# Altium PCB 宠物机器人&导购机器人.PcbDoc (part 14 of 14)
Units mil, origin at the board's own origin, x right, y up, seen from the top; angles counter-clockwise.
Board outline 6899.61 x 2204.72 mil, 2 copper layers (Top Layer, Bottom Layer); 229 components, 218 nets, 23463 pads, 263 vias.
Unrouted connection lines stored in the file: 107.
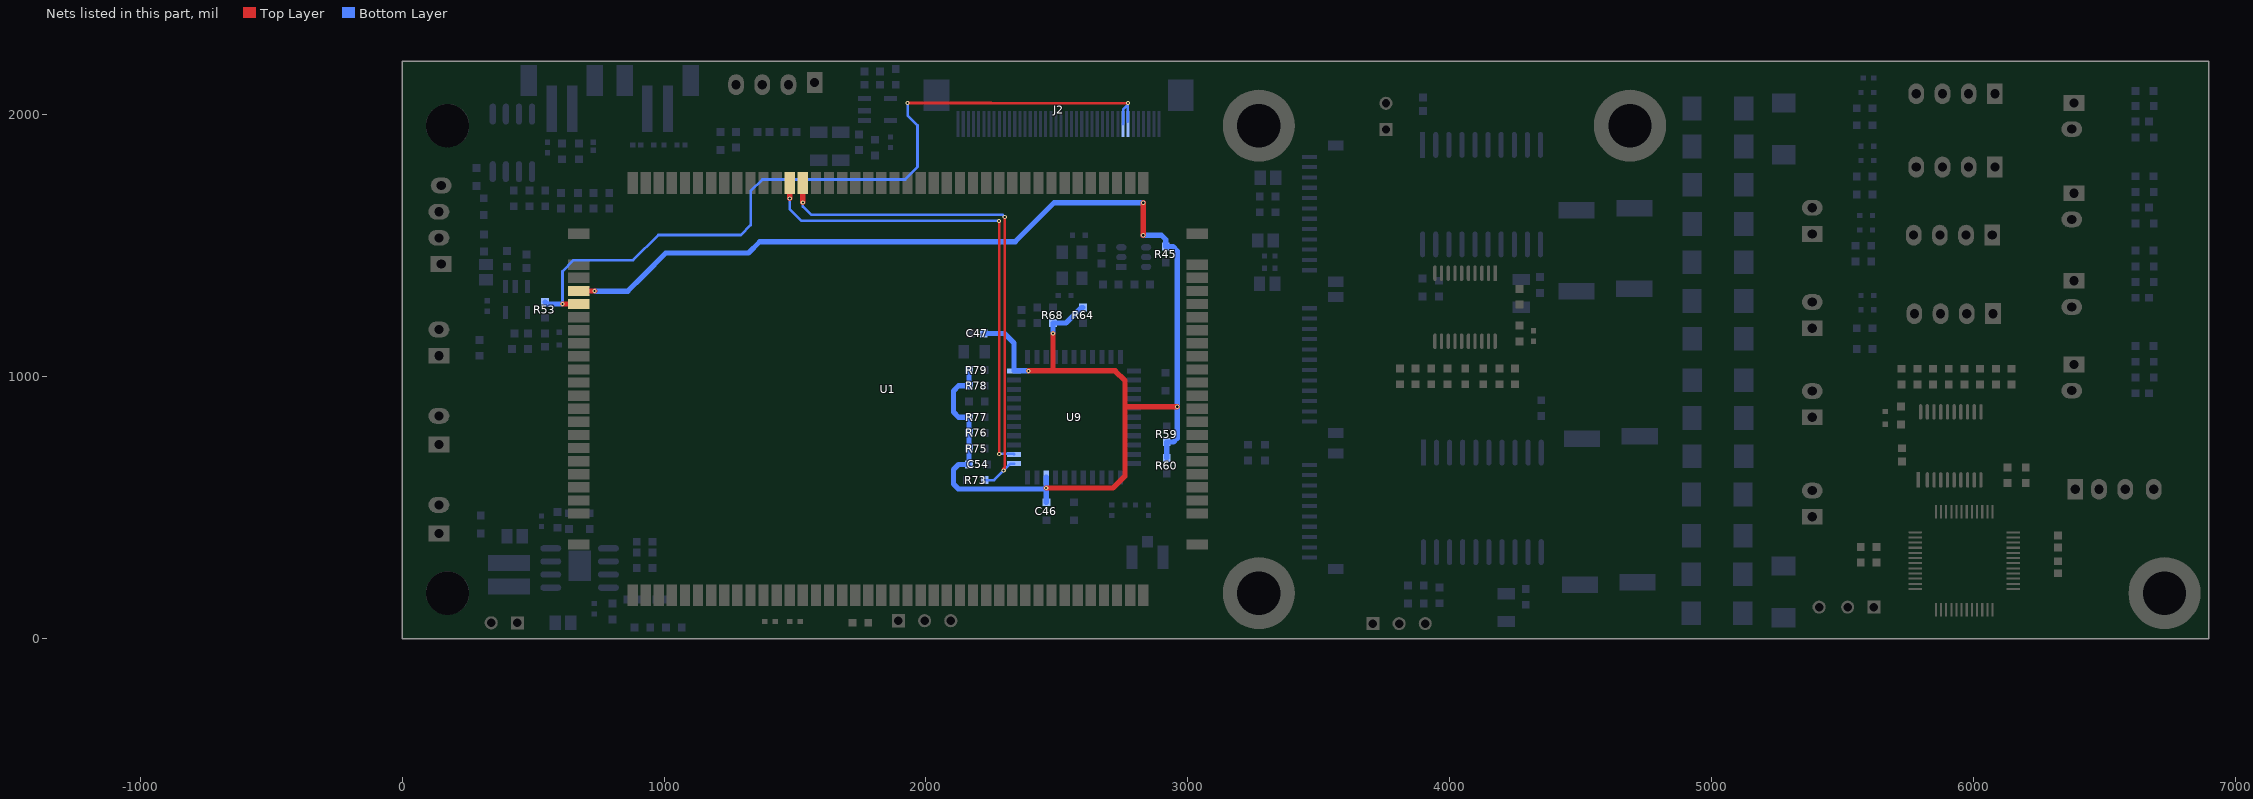
[diagram p14: the nets of this part, all layers, seen from the top]

## Via types
v1: diameter 16, hole 8, Top Layer to Bottom Layer, tented both sides, 263 vias

## Nets (pads, with @x,y where several pads share a name; then routed paths per layer and width w, separated by ;. In a path a pad name is that pad's centre, name@x,y a point inside that pad or via, vN(x,y) a via of type N, cw(c..) or ccw(c..) an arc to the next point about the centre after c; other vN are vias at no path point) (continued)
VCC-LCD: J2.7 J2.8 R53.2 U1.4 | length 3108.3
  Top Layer w10: v1(1930,2045) 1930.06,2045.06 2249.64,2045.06 2249.85,2044.85 v1(2771.59,2044.85)
  Top Layer w20: v1(612.4,1277.4) U1.4@673.9,1277.4
  Bottom Layer w10: 612.4,1345 612.4,1402.4 655,1445 882.07,1445 978.07,1541 1293.53,1541 1331,1578.47 1331,1708.53 1375.47,1753 1920.53,1753 1968,1800.47 1968,1959.53 1930,1997.53 v1(1930,2045) ; J2.8@2752.76,1965 2754.07,1966.32 2754.07,2021.63 v1@2771.59,2039.15 ; J2.7@2771.59,1974.15 v1@2771.59,2039.15 ; v1(2771.59,2044.85) v1@2771.59,2039.15
  Bottom Layer w12: v1(612.4,1277.4) 612.4,1345
  Bottom Layer w20: R53.2@545,1285 552.6,1277.4 v1(612.4,1277.4)
VCC-WIFI: C46.1 C47.2 C54.1 R45.1 R59.1 R60.1 R64.2 R68.1 R75.1 R76.1 R77.1 R78.1 R79.1 U1.3 U9.9 U9.22 | length 6338.5
  Top Layer w20: U1.3@673.9,1327.4 v1(735,1327.4) ; v1(2392.17,1022.17) 2480,1022.17 ; v1(2459.37,575) 2715,575 2760,620 2760,880 ; v1(2485,1165) 2485,1027.17 2480,1022.17 ; v1(2830,1540) v1(2830,1664) ; v1(2960,885) 2765,885 2760,880 ; 2480,1022.17 2722.83,1022.17 2760,985 2760,880
  Bottom Layer w20: v1(735,1327.4) 736.4,1326 861.05,1326 921,1385.95 921,1386.35 1006.65,1472 1322.11,1472 1365.22,1515.11 2213.71,1515.11 2213.82,1515 2340.8,1515 2489.8,1664 v1(2830,1664) ; R79.1@2165,1025 R78.1@2165,965 2125,965 2105,945 2105,865 2125,845 R77.1@2165,845 R76.1@2165,785 R75.1@2165,725 2165,665.5 C54.1@2164.5,665 2125,665 2105,645 2105,590 2123.91,571.09 2455.46,571.09 v1(2459.37,575) ; C47.2@2221,1165 2300,1165 2336.34,1128.66 U9.22@2336.34,1022.17 v1(2392.17,1022.17) ; U9.9@2459.37,615.67 v1(2459.37,575) ; C46.1@2460,520.5 2459.37,521.13 v1(2459.37,575) ; v1(2485,1165) R68.1@2485,1204.5 2534.55,1204.5 2594.55,1264.5 R64.2@2600,1264.5 ; v1(2830,1540) 2900,1540 2915.98,1524.02 R45.1@2915.98,1496.57 2943.43,1496.57 2960,1480 v1(2960,885) 2960,765 2945,750 R59.1@2920,750 R60.1@2920,690
WL-HOST-WAKE: U1.108 U9.13 | length 1865.3
  Top Layer w10: v1(2279.6,1595) 2279.6,705.4 v1(2280,705)
  Top Layer w20: v1(1480,1680) U1.108@1480,1739.8
  Bottom Layer w10: v1(1480,1680) 1480,1640 1525,1595 v1(2279.6,1595) ; v1(2280,705) 2334.61,705 U9.13@2336.34,703.27
WL-REG-ON: R73.1 U1.107 U9.12 | length 1987
  Top Layer w10: v1(2297,642) 2296,643 2298.2,645.2 2296,647.39 2301,652.39 v1(2301,1610)
  Top Layer w20: v1(1530,1665) U1.107@1530,1739.8
  Bottom Layer w10: v1(1530,1665) 1530,1650 1562.4,1617.6 2293.4,1617.6 v1(2301,1610) ; R73.1@2225,605 2260,605 v1(2297,642) 2322.83,667.83 U9.12@2336.34,667.83
pads on no net: J2.12 J2.13 J2.14 J2.17 J2.18 J2.21 U1.7 U1.17 U1.18 U1.22 U1.26 U1.27 U1.28 U1.77 U1.78 U1.104 U2.9 U9.4 U9.5 U9.8 U9.10 U9.11 U9.25 U9.26 U9.27 U9.28 U9.32 U9.35 U9.37 U9.38 U9.39 U9.40 U10.1 U10.2 U10.3 U10.5 U10.6 U10.8 U10.9 U10.10 U10.11 U10.12 U10.13 U10.14 U10.15 U10.16 U10.17 U10.19 U10.20 U10.21 U10.22 U10.23 U10.24 U10.25 U10.26 U10.27 U10.28 U10.29 U10.30 U10.37 U10.38

## Silkscreen, mask and mechanical layers (free items; w line width, h text height)
Top Overlay:
  region: 1525,3820 3655,3820 3655,2380 3647,2372 1436,2372 1424,2384 1424,3719 1426,3721
  region: 5573.87,-844 3432.13,-844 3337.65,-938.49 3337.65,-2296.76 3361.27,-2296.76 5573.87,-2292.82
Mechanical 1:
  the board outline again, w10
Mechanical 2:
  drawing of 19725 lines, arcs and shapes, not listed
Mechanical 3:
  drawing of 7932 lines, arcs and shapes, not listed
Mechanical 4:
  lines w0: -1218.26,-384.91 -1218.26,-384.82 ; -1218.26,-384.91 -1218.21,-384.91 ; -1218.26,-384.91 -1218.26,-384.82 ; -1218.26,-384.91 -1218.21,-384.91 ; -1218.26,-384.91 -1218.21,-384.91 ; -1218.26,-384.91 -1218.26,-384.82 ; -1218.26,-384.82 -1218.21,-384.82 ; -1218.26,-384.82 -1218.21,-384.82 ; -1218.26,-384.82 -1218.21,-384.82 ; -1218.21,-384.91 -1218.21,-384.82 ; -1218.21,-384.91 -1218.21,-384.82 ; -1218.21,-384.91 -1218.21,-384.82 ; -1218.14,-383.68 -1218.07,-383.68 ; -1218.14,-383.68 -1218.14,-383.55 ; -1218.14,-383.68 -1218.07,-383.68 ; -1218.14,-383.68 -1218.14,-383.55 ; -1218.14,-383.68 -1218.14,-383.55 ; -1218.14,-383.68 -1218.07,-383.68 ; -1218.14,-383.55 -1218.07,-383.55 ; -1218.14,-383.55 -1218.07,-383.55 ; -1218.14,-383.55 -1218.07,-383.55 ; -1218.16,-383.23 -1218.16,-383.1 ; -1218.16,-383.23 -1218.09,-383.23 ; -1218.16,-383.23 -1218.16,-383.1 ; -1218.16,-383.23 -1218.09,-383.23 ; -1218.16,-383.23 -1218.09,-383.23 ; -1218.16,-383.23 -1218.16,-383.1 ; -1218.16,-383.1 -1218.09,-383.1 ; -1218.16,-383.1 -1218.09,-383.1 ; -1218.16,-383.1 -1218.09,-383.1 ; -1218.09,-383.23 -1218.09,-383.1 ; -1218.09,-383.23 -1218.09,-383.1 ; -1218.09,-383.23 -1218.09,-383.1 ; -1218.07,-383.68 -1218.07,-383.55 ; -1218.07,-383.68 -1218.07,-383.55 ; -1218.07,-383.68 -1218.07,-383.55 ; -1218.05,-383.61 -1218.05,-383.54 ; -1218.05,-383.61 -1217.92,-383.61 ; -1218.05,-383.61 -1218.05,-383.54 ; -1218.05,-383.61 -1217.92,-383.61 ; -1218.05,-383.61 -1217.92,-383.61 ; -1218.05,-383.61 -1218.05,-383.54 ; -1218.05,-383.54 -1217.92,-383.54 ; -1218.05,-383.54 -1217.92,-383.54 ; -1218.05,-383.54 -1217.92,-383.54 ; -1217.93,-384.1 -1217.85,-384.1 ; -1217.93,-384.1 -1217.93,-384.04 ; -1217.93,-384.1 -1217.85,-384.1 ; -1217.93,-384.1 -1217.93,-384.04 ; -1217.93,-384.1 -1217.93,-384.04 ; -1217.93,-384.1 -1217.85,-384.1 ; -1217.93,-384.04 -1217.85,-384.04 ; -1217.93,-384.04 -1217.85,-384.04 ; -1217.93,-384.04 -1217.85,-384.04 ; -1217.92,-383.61 -1217.92,-383.54 ; -1217.92,-383.61 -1217.92,-383.54 ; -1217.92,-383.61 -1217.92,-383.54 ; -1217.85,-384.1 -1217.85,-384.04 ; -1217.85,-384.1 -1217.85,-384.04 ; -1217.85,-384.1 -1217.85,-384.04 ; -1217.86,-383.38 -1217.86,-383.24 ; -1217.86,-383.38 -1217.79,-383.38 ; -1217.86,-383.38 -1217.86,-383.24 ; -1217.86,-383.38 -1217.79,-383.38 ; -1217.86,-383.38 -1217.79,-383.38 ; -1217.86,-383.38 -1217.86,-383.24 ; -1217.86,-383.24 -1217.79,-383.24 ; -1217.86,-383.24 -1217.79,-383.24 ; -1217.86,-383.24 -1217.79,-383.24 ; -1217.79,-383.38 -1217.79,-383.24 ; -1217.79,-383.38 -1217.79,-383.24 ; -1217.79,-383.38 -1217.79,-383.24 ; -1216.25,-383.4 -1216.25,-383.31 ; -1216.25,-383.4 -1216.19,-383.4 ; -1216.25,-383.4 -1216.25,-383.31 ; -1216.25,-383.4 -1216.19,-383.4 ; -1216.25,-383.4 -1216.19,-383.4 ; -1216.25,-383.4 -1216.25,-383.31 ; -1216.25,-383.31 -1216.19,-383.31 ; -1216.25,-383.31 -1216.19,-383.31 ; -1216.25,-383.31 -1216.19,-383.31 ; -1216.19,-383.4 -1216.19,-383.31 ; -1216.19,-383.4 -1216.19,-383.31 ; -1216.19,-383.4 -1216.19,-383.31 ; -1216.18,-383.4 -1216.18,-383.31 ; -1216.18,-383.4 -1216.12,-383.4 ; -1216.18,-383.4 -1216.18,-383.31 ; -1216.18,-383.4 -1216.12,-383.4 ; -1216.18,-383.4 -1216.12,-383.4 ; -1216.18,-383.4 -1216.18,-383.31 ; -1216.18,-383.31 -1216.12,-383.31 ; -1216.18,-383.31 -1216.12,-383.31 ; -1216.18,-383.31 -1216.12,-383.31 ; -1216.12,-383.4 -1216.12,-383.31 ; -1216.12,-383.4 -1216.12,-383.31 ; -1216.12,-383.4 -1216.12,-383.31 ; -1215.61,-383.36 -1215.61,-383.29 ; -1215.61,-383.36 -1215.48,-383.36 ; -1215.61,-383.36 -1215.61,-383.29 ; -1215.61,-383.36 -1215.48,-383.36 ; -1215.61,-383.36 -1215.48,-383.36 ; -1215.61,-383.36 -1215.61,-383.29 ; -1215.61,-383.29 -1215.48,-383.29 ; -1215.61,-383.29 -1215.48,-383.29 ; -1215.61,-383.29 -1215.48,-383.29 ; -1215.56,-383.43 -1215.48,-383.43 ; -1215.56,-383.43 -1215.56,-383.37 ; -1215.56,-383.43 -1215.48,-383.43 ; -1215.56,-383.43 -1215.56,-383.37 ; -1215.56,-383.43 -1215.56,-383.37 ; -1215.56,-383.43 -1215.48,-383.43 ; -1215.56,-383.37 -1215.48,-383.37 ; -1215.56,-383.37 -1215.48,-383.37 ; -1215.56,-383.37 -1215.48,-383.37 ; -1215.48,-383.43 -1215.48,-383.37 ; -1215.48,-383.43 -1215.48,-383.37 ; -1215.48,-383.43 -1215.48,-383.37 ; -1215.48,-383.36 -1215.48,-383.29 ; -1215.48,-383.36 -1215.48,-383.29 ; -1215.48,-383.36 -1215.48,-383.29
Mechanical 5:
  drawing of 420 lines, arcs and shapes, not listed
Mechanical 6:
  lines w0.01: -1217.26,-384.28 -1217.26,-383.76 ; -1217.26,-384.28 -1216.69,-384.28 ; -1217.26,-384.28 -1217.26,-383.76 ; -1217.26,-384.28 -1216.69,-384.28 ; -1217.26,-384.28 -1216.69,-384.28 ; -1217.26,-384.28 -1217.26,-383.76 ; -1217.26,-383.76 -1216.69,-383.76 ; -1217.26,-383.76 -1216.69,-383.76 ; -1217.26,-383.76 -1216.69,-383.76 ; -1216.69,-384.28 -1216.69,-383.76 ; -1216.69,-384.28 -1216.69,-383.76 ; -1216.69,-384.28 -1216.69,-383.76
Mechanical 8:
  drawing of 9558 lines, arcs and shapes, not listed
  text "U5" at -1218.19,-383.19 h0.03 r90
  text "U5" at -1218.19,-383.19 h0.03 r90
  text "U5" at -1218.19,-383.19 h0.03 r90
  text "C37" at -1218.17,-383.17 h0.02
  text "C37" at -1218.17,-383.17 h0.02
  text "C37" at -1218.17,-383.17 h0.02
  text "R70" at -1218.15,-383.39 h0.02 r90
  text "R70" at -1218.15,-383.39 h0.02 r90
  text "R70" at -1218.15,-383.39 h0.02 r90
  text "R71" at -1218.11,-383.39 h0.02 r90
  text "R71" at -1218.11,-383.39 h0.02 r90
  text "R71" at -1218.11,-383.39 h0.02 r90
  text "C101" at -1218.08,-383.01 h0.02
  text "C101" at -1218.08,-383.01 h0.02
  text "C101" at -1218.08,-383.01 h0.02
  text "R67" at -1217.97,-383.01 h0.02
  text "R67" at -1217.97,-383.01 h0.02
  text "R67" at -1217.97,-383.01 h0.02
  text "R66" at -1217.87,-383.01 h0.02
  text "R66" at -1217.87,-383.01 h0.02
  text "R66" at -1217.87,-383.01 h0.02
  text "C100" at -1217.78,-383.13 h0.02 r90
  text "C100" at -1217.78,-383.13 h0.02 r90
  text "C100" at -1217.78,-383.13 h0.02 r90
  text "R120" at -1217.74,-383.22 h0.02 r90
  text "R120" at -1217.74,-383.22 h0.02 r90
  text "R120" at -1217.74,-383.22 h0.02 r90
  text "C32" at -1217.72,-383.38 h0.02
  text "C32" at -1217.72,-383.38 h0.02
  text "C32" at -1217.72,-383.38 h0.02
  text "C110" at -1217.65,-383.42 h0.02
  text "C110" at -1217.65,-383.42 h0.02
  text "C110" at -1217.65,-383.42 h0.02
  text "C40" at -1217.64,-383.14 h0.02 r90
  text "C40" at -1217.64,-383.14 h0.02 r90
  text "C40" at -1217.64,-383.14 h0.02 r90
  text "C36" at -1217.6,-383.14 h0.02 r90
  text "C36" at -1217.6,-383.14 h0.02 r90
  text "C36" at -1217.6,-383.14 h0.02 r90
  text "J6" at -1217.55,-383.09 h0.03
  text "J6" at -1217.55,-383.09 h0.03
  text "J6" at -1217.55,-383.09 h0.03
  text "R110" at -1217.55,-383.15 h0.02 r90
  text "R110" at -1217.55,-383.15 h0.02 r90
  text "R110" at -1217.55,-383.15 h0.02 r90
  text "C35" at -1217.49,-383.17 h0.02 r90
  text "C35" at -1217.49,-383.17 h0.02 r90
  text "C35" at -1217.49,-383.17 h0.02 r90
  text "C38" at -1217.42,-383.22 h0.02
  text "C38" at -1217.42,-383.22 h0.02
  text "C38" at -1217.42,-383.22 h0.02
  text "C39" at -1217.37,-383.17 h0.02 r90
  text "C39" at -1217.37,-383.17 h0.02 r90
  text "C39" at -1217.37,-383.17 h0.02 r90
  text "R111" at -1217.32,-383.17 h0.02 r90
  text "R111" at -1217.32,-383.17 h0.02 r90
  text "R111" at -1217.32,-383.17 h0.02 r90
  text "J7" at -1217.3,-383.09 h0.03
  text "J7" at -1217.3,-383.09 h0.03
  text "J7" at -1217.3,-383.09 h0.03
  text "J1" at -1216.65,-383.17 h0.03
  text "J1" at -1216.65,-383.17 h0.03
  text "J1" at -1216.65,-383.17 h0.03
  text "J2" at -1216.49,-383.21 h0.03
  text "J2" at -1216.49,-383.21 h0.03
  text "J2" at -1216.49,-383.21 h0.03
  text "R50" at -1216.38,-383.44 h0.02 r90
  text "R50" at -1216.38,-383.44 h0.02 r90
  text "R50" at -1216.38,-383.44 h0.02 r90
  text "R39" at -1216.32,-383.44 h0.02 r90
  text "R39" at -1216.32,-383.44 h0.02 r90
  text "R39" at -1216.32,-383.44 h0.02 r90
  text "C28" at -1216.21,-383.43 h0.02 r90
  text "C28" at -1216.21,-383.43 h0.02 r90
  text "C28" at -1216.21,-383.43 h0.02 r90
  text "C24" at -1216.14,-383.43 h0.02 r90
  text "C24" at -1216.14,-383.43 h0.02 r90
  text "C24" at -1216.14,-383.43 h0.02 r90
  text "C25" at -1216.09,-383.43 h0.02 r90
  text "C25" at -1216.09,-383.43 h0.02 r90
  text "C25" at -1216.09,-383.43 h0.02 r90
  text "J11" at -1215.97,-383.1 h0.03
  text "J11" at -1215.97,-383.1 h0.03
  text "J11" at -1215.97,-383.1 h0.03
  text "R104" at -1215.9,-383.46 h0.02 r90
  text "R104" at -1215.9,-383.46 h0.02 r90
  text "R104" at -1215.9,-383.46 h0.02 r90
  text "D11" at -1215.86,-383.22 h0.02
  text "D11" at -1215.86,-383.22 h0.02
  text "D11" at -1215.86,-383.22 h0.02
  text "R102" at -1215.85,-383.43 h0.02 r90
  text "R102" at -1215.85,-383.43 h0.02 r90
  text "R102" at -1215.85,-383.43 h0.02 r90
  text "R113" at -1215.85,-383.31 h0.02
  text "R113" at -1215.85,-383.31 h0.02
  text "R113" at -1215.85,-383.31 h0.02
  text "D12" at -1215.71,-383.22 h0.02
  text "D12" at -1215.71,-383.22 h0.02
  text "D12" at -1215.71,-383.22 h0.02
  text "R112" at -1215.71,-383.31 h0.02
  text "R112" at -1215.71,-383.31 h0.02
  text "R112" at -1215.71,-383.31 h0.02
  text "R101" at -1215.62,-383.18 h0.02 r90
  text "R101" at -1215.62,-383.18 h0.02 r90
  text "R101" at -1215.62,-383.18 h0.02 r90
  text "C105" at -1215.54,-383.22 h0.02
  text "C105" at -1215.54,-383.22 h0.02
  text "C105" at -1215.54,-383.22 h0.02
  text "C104" at -1215.41,-383.25 h0.02
  text "C104" at -1215.41,-383.25 h0.02
  text "C104" at -1215.41,-383.25 h0.02
  text "C102" at -1215.41,-383.28 h0.02
  text "C102" at -1215.41,-383.28 h0.02
  text "C102" at -1215.41,-383.28 h0.02
  text "C103" at -1215.4,-383.47 h0.02
  text "C103" at -1215.4,-383.47 h0.02
  text "C103" at -1215.4,-383.47 h0.02
  text "J10" at -1218.3,-383.66 h0.03 r90
  text "J10" at -1218.3,-383.66 h0.03 r90
  text "J10" at -1218.3,-383.66 h0.03 r90
  text "C44" at -1218.15,-383.48 h0.02 r90
  text "C44" at -1218.15,-383.48 h0.02 r90
  text "C44" at -1218.15,-383.48 h0.02 r90
  text "C17" at -1218.11,-384.12 h0.02 r90
  text "C17" at -1218.11,-384.12 h0.02 r90
  text "C17" at -1218.11,-384.12 h0.02 r90
  text "R29" at -1218.11,-384.34 h0.02 r90
  text "R29" at -1218.11,-384.34 h0.02 r90
  text "R29" at -1218.11,-384.34 h0.02 r90
  text "D7" at -1218.1,-383.82 h0.03 r90
  text "D7" at -1218.1,-383.82 h0.03 r90
  text "D7" at -1218.1,-383.82 h0.03 r90
  text "D6" at -1218.09,-384.03 h0.03 r90
  text "D6" at -1218.09,-384.03 h0.03 r90
  text "D6" at -1218.09,-384.03 h0.03 r90
  text "C42" at -1218.09,-383.48 h0.02 r90
  text "C42" at -1218.09,-383.48 h0.02 r90
  text "C42" at -1218.09,-383.48 h0.02 r90
  text "C13" at -1218.08,-384.34 h0.02 r90
  text "C13" at -1218.08,-384.34 h0.02 r90
  text "C13" at -1218.08,-384.34 h0.02 r90
  text "R40" at -1218.06,-384.12 h0.02 r90
  text "R40" at -1218.06,-384.12 h0.02 r90
  text "R40" at -1218.06,-384.12 h0.02 r90
  text "L3" at -1218.01,-383.48 h0.02
  text "L3" at -1218.01,-383.48 h0.02
  text "L3" at -1218.01,-383.48 h0.02
  text "R43" at -1218.01,-384.12 h0.02 r90
  text "R43" at -1218.01,-384.12 h0.02 r90
  text "R43" at -1218.01,-384.12 h0.02 r90
  text "C29" at -1217.98,-384.07 h0.02
  text "C29" at -1217.98,-384.07 h0.02
  text "C29" at -1217.98,-384.07 h0.02
  text "R47" at -1217.95,-384.12 h0.02 r90
  text "R47" at -1217.95,-384.12 h0.02 r90
  text "R47" at -1217.95,-384.12 h0.02 r90
  text "U2" at -1217.9,-384.32 h0.03 r270
  text "U2" at -1217.9,-384.32 h0.03 r270
  text "U2" at -1217.9,-384.32 h0.03 r270
  text "C14" at -1217.9,-384.12 h0.02 r90
  text "C14" at -1217.9,-384.12 h0.02 r90
  text "C14" at -1217.9,-384.12 h0.02 r90
  text "L4" at -1217.88,-383.48 h0.02
  text "L4" at -1217.88,-383.48 h0.02
  text "L4" at -1217.88,-383.48 h0.02
  text "RT1" at -1217.87,-383.81 h0.02 r90
  text "RT1" at -1217.87,-383.81 h0.02 r90
  text "RT1" at -1217.87,-383.81 h0.02 r90
  text "C18" at -1217.85,-384.12 h0.02 r90
  text "C18" at -1217.85,-384.12 h0.02 r90
  text "C18" at -1217.85,-384.12 h0.02 r90
  text "C43" at -1217.84,-383.59 h0.02
  text "C43" at -1217.84,-383.59 h0.02
  text "C43" at -1217.84,-383.59 h0.02
  text "R41" at -1217.81,-384.13 h0.02 r90
  text "R41" at -1217.81,-384.13 h0.02 r90
  text "R41" at -1217.81,-384.13 h0.02 r90
  text "C50" at -1217.8,-383.78 h0.02 r90
  text "C50" at -1217.8,-383.78 h0.02 r90
  text "C50" at -1217.8,-383.78 h0.02 r90
  text "R76" at -1217.76,-383.79 h0.02 r90
  text "R92" at -1217.76,-383.72 h0.02
  text "R76" at -1217.76,-383.79 h0.02 r90
  text "R92" at -1217.76,-383.72 h0.02
  text "R92" at -1217.76,-383.72 h0.02
  text "R76" at -1217.76,-383.79 h0.02 r90
  text "C23" at -1217.76,-383.77 h0.02
  text "C23" at -1217.76,-383.77 h0.02
  text "C23" at -1217.76,-383.77 h0.02
  text "D5" at -1217.71,-384.16 h0.02
  text "D5" at -1217.71,-384.16 h0.02
  text "D5" at -1217.71,-384.16 h0.02
  text "R83" at -1217.7,-383.78 h0.02 r90
  text "R83" at -1217.7,-383.78 h0.02 r90
  text "R83" at -1217.7,-383.78 h0.02 r90
  text "C33" at -1217.65,-383.48 h0.02
  text "C33" at -1217.65,-383.48 h0.02
  text "C33" at -1217.65,-383.48 h0.02
  text "R31" at -1217.63,-384.24 h0.02 r90
  text "R44" at -1217.63,-384.45 h0.02 r90
  text "R31" at -1217.63,-384.24 h0.02 r90
  text "R44" at -1217.63,-384.45 h0.02 r90
  text "R44" at -1217.63,-384.45 h0.02 r90
  text "R31" at -1217.63,-384.24 h0.02 r90
  text "R32" at -1217.62,-384.34 h0.02 r90
  text "R32" at -1217.62,-384.34 h0.02 r90
  text "R32" at -1217.62,-384.34 h0.02 r90
  text "R48" at -1217.6,-384.45 h0.02 r90
  text "R48" at -1217.6,-384.45 h0.02 r90
  text "R48" at -1217.6,-384.45 h0.02 r90
  text "R37" at -1217.6,-384.24 h0.02 r90
  text "R37" at -1217.6,-384.24 h0.02 r90
  text "R37" at -1217.6,-384.24 h0.02 r90
  text "R38" at -1217.59,-384.34 h0.02 r90
  text "R38" at -1217.59,-384.34 h0.02 r90
  text "R38" at -1217.59,-384.34 h0.02 r90
  text "D4" at -1217.59,-384.17 h0.02
  text "D4" at -1217.59,-384.17 h0.02
  text "D4" at -1217.59,-384.17 h0.02
  text "D21" at -1217.54,-383.6 h0.02
  text "D21" at -1217.54,-383.6 h0.02
  text "D21" at -1217.54,-383.6 h0.02
  text "R7" at -1217.51,-384.19 h0.02
  text "R13" at -1217.51,-384.16 h0.02
  text "R14" at -1217.51,-384.22 h0.02
  text "R7" at -1217.51,-384.19 h0.02
  text "R13" at -1217.51,-384.16 h0.02
  text "R14" at -1217.51,-384.22 h0.02
  text "R14" at -1217.51,-384.22 h0.02
  text "R13" at -1217.51,-384.16 h0.02
  text "R7" at -1217.51,-384.19 h0.02
  text "R8" at -1217.5,-384.24 h0.02
  text "R16" at -1217.5,-384.27 h0.02
  text "R8" at -1217.5,-384.24 h0.02
  text "R16" at -1217.5,-384.27 h0.02
  text "R16" at -1217.5,-384.27 h0.02
  text "R8" at -1217.5,-384.24 h0.02
  text "D22" at -1217.4,-383.62 h0.02
  text "D22" at -1217.4,-383.62 h0.02
  text "D22" at -1217.4,-383.62 h0.02
  text "D2" at -1217.36,-384.17 h0.02
  text "D2" at -1217.36,-384.17 h0.02
  text "D2" at -1217.36,-384.17 h0.02
  text "R19" at -1217.33,-384.27 h0.02
  text "R24" at -1217.33,-384.24 h0.02
  text "R19" at -1217.33,-384.27 h0.02
  text "R24" at -1217.33,-384.24 h0.02
  text "R24" at -1217.33,-384.24 h0.02
  text "R19" at -1217.33,-384.27 h0.02
  text "R20" at -1217.32,-384.33 h0.02
  text "R22" at -1217.32,-384.3 h0.02
  text "R20" at -1217.32,-384.33 h0.02
  text "R22" at -1217.32,-384.3 h0.02
  text "R22" at -1217.32,-384.3 h0.02
  text "R20" at -1217.32,-384.33 h0.02
  text "R23" at -1217.2,-384.33 h0.02
  text "R23" at -1217.2,-384.33 h0.02
  text "R23" at -1217.2,-384.33 h0.02
  text "R18" at -1217.1,-384.34 h0.02
  text "R21" at -1217.1,-384.37 h0.02
  text "R18" at -1217.1,-384.34 h0.02
  text "R21" at -1217.1,-384.37 h0.02
  text "R21" at -1217.1,-384.37 h0.02
  text "R18" at -1217.1,-384.34 h0.02
  text "R17" at -1217.1,-384.4 h0.02
  text "R17" at -1217.1,-384.4 h0.02
  text "R17" at -1217.1,-384.4 h0.02
  text "R3" at -1217.05,-384.45 h0.02
  text "R3" at -1217.05,-384.45 h0.02
  text "R3" at -1217.05,-384.45 h0.02
  text "R9" at -1217.05,-384.41 h0.02
  text "R9" at -1217.05,-384.41 h0.02
  text "R9" at -1217.05,-384.41 h0.02
  text "D1" at -1216.9,-383.63 h0.02 r90
  text "D1" at -1216.9,-383.63 h0.02 r90
  text "D1" at -1216.9,-383.63 h0.02 r90
  text "R10" at -1216.87,-384.46 h0.02
  text "R10" at -1216.87,-384.46 h0.02
  text "R10" at -1216.87,-384.46 h0.02
  text "R55" at -1216.61,-383.87 h0.02 r90
  text "R55" at -1216.61,-383.87 h0.02 r90
  text "R55" at -1216.61,-383.87 h0.02 r90
  text "R54" at -1216.61,-383.74 h0.02 r90
  text "R56" at -1216.61,-383.99 h0.02 r90
  text "R54" at -1216.61,-383.74 h0.02 r90
  text "R56" at -1216.61,-383.99 h0.02 r90
  text "R56" at -1216.61,-383.99 h0.02 r90
  text "R54" at -1216.61,-383.74 h0.02 r90
  text "R53" at -1216.61,-384.1 h0.02 r90
  text "R53" at -1216.61,-384.1 h0.02 r90
  text "R53" at -1216.61,-384.1 h0.02 r90
  text "L2" at -1216.51,-384.43 h0.02
  text "L2" at -1216.51,-384.43 h0.02
  text "L2" at -1216.51,-384.43 h0.02
  text "C31" at -1216.46,-383.65 h0.02 r90
  text "C31" at -1216.46,-383.65 h0.02 r90
  text "C31" at -1216.46,-383.65 h0.02 r90
  text "C55" at -1216.45,-384.32 h0.02 r90
  text "C55" at -1216.45,-384.32 h0.02 r90
  text "C55" at -1216.45,-384.32 h0.02 r90
  text "C30" at -1216.43,-383.65 h0.02 r90
  text "C30" at -1216.43,-383.65 h0.02 r90
  text "C30" at -1216.43,-383.65 h0.02 r90
  text "C56" at -1216.41,-384.32 h0.02 r90
  text "C56" at -1216.41,-384.32 h0.02 r90
  text "C56" at -1216.41,-384.32 h0.02 r90
  text "U3" at -1216.39,-384.23 h0.03 r90
  text "U3" at -1216.39,-384.23 h0.03 r90
  text "U3" at -1216.39,-384.23 h0.03 r90
  text "R79" at -1216.38,-384.32 h0.02 r90
  text "R79" at -1216.38,-384.32 h0.02 r90
  text "R79" at -1216.38,-384.32 h0.02 r90
  text "R52" at -1216.38,-383.65 h0.02 r90
  text "R52" at -1216.38,-383.65 h0.02 r90
  text "R52" at -1216.38,-383.65 h0.02 r90
  text "R80" at -1216.35,-384.32 h0.02 r90
  text "R80" at -1216.35,-384.32 h0.02 r90
  text "R80" at -1216.35,-384.32 h0.02 r90
  text "D3" at -1216.32,-383.65 h0.02 r90
  text "D3" at -1216.32,-383.65 h0.02 r90
  text "D3" at -1216.32,-383.65 h0.02 r90
  text "C22" at -1216.26,-383.65 h0.02 r90
  text "C22" at -1216.26,-383.65 h0.02 r90
  text "C22" at -1216.26,-383.65 h0.02 r90
  text "R58" at -1216.21,-383.65 h0.02 r90
  text "R58" at -1216.21,-383.65 h0.02 r90
  text "R58" at -1216.21,-383.65 h0.02 r90
  text "R59" at -1216.17,-383.65 h0.02 r90
  text "R59" at -1216.17,-383.65 h0.02 r90
  text "R59" at -1216.17,-383.65 h0.02 r90
  text "C27" at -1216.1,-383.67 h0.02 r90
  text "C27" at -1216.1,-383.67 h0.02 r90
  text "C27" at -1216.1,-383.67 h0.02 r90
  text "C21" at -1216.05,-383.67 h0.02 r90
  text "C21" at -1216.05,-383.67 h0.02 r90
  text "C21" at -1216.05,-383.67 h0.02 r90
  text "C26" at -1215.88,-383.82 h0.02 r90
  text "R60" at -1215.88,-383.97 h0.02 r90
  text "C26" at -1215.88,-383.82 h0.02 r90
  text "R60" at -1215.88,-383.97 h0.02 r90
  text "R60" at -1215.88,-383.97 h0.02 r90
  text "C26" at -1215.88,-383.82 h0.02 r90
  text "R57" at -1215.88,-383.9 h0.02 r90
  text "R57" at -1215.88,-383.9 h0.02 r90
  text "R57" at -1215.88,-383.9 h0.02 r90
  text "R103" at -1215.85,-383.53 h0.02 r90
  text "R103" at -1215.85,-383.53 h0.02 r90
  text "R103" at -1215.85,-383.53 h0.02 r90
  text "R61" at -1215.85,-383.83 h0.02 r90
  text "R61" at -1215.85,-383.83 h0.02 r90
  text "R61" at -1215.85,-383.83 h0.02 r90
  text "R75" at -1215.84,-384.32 h0.02 r90
  text "R75" at -1215.84,-384.32 h0.02 r90
  text "R75" at -1215.84,-384.32 h0.02 r90
  text "R63" at -1215.82,-384.32 h0.02 r90
  text "R63" at -1215.82,-384.32 h0.02 r90
  text "R63" at -1215.82,-384.32 h0.02 r90
  text "R51" at -1215.81,-383.8 h0.02
  text "R51" at -1215.81,-383.8 h0.02
  text "R51" at -1215.81,-383.8 h0.02
  text "C34" at -1215.81,-383.85 h0.02 r90
  text "C34" at -1215.81,-383.85 h0.02 r90
  text "C34" at -1215.81,-383.85 h0.02 r90
  text "R62" at -1215.79,-383.95 h0.02 r90
  text "R62" at -1215.79,-383.95 h0.02 r90
  text "R62" at -1215.79,-383.95 h0.02 r90
  text "R64" at -1215.79,-384.32 h0.02 r90
  text "R64" at -1215.79,-384.32 h0.02 r90
  text "R64" at -1215.79,-384.32 h0.02 r90
  text "Y1" at -1215.76,-383.85 h0.02
  text "Y1" at -1215.76,-383.85 h0.02
  text "Y1" at -1215.76,-383.85 h0.02
  text "U4" at -1215.76,-383.96 h0.02 r90
  text "U4" at -1215.76,-383.96 h0.02 r90
  text "U4" at -1215.76,-383.96 h0.02 r90
  text "R30" at -1215.74,-383.81 h0.02
  text "R30" at -1215.74,-383.81 h0.02
  text "R30" at -1215.74,-383.81 h0.02
  text "C45" at -1215.73,-383.85 h0.02 r90
  text "C45" at -1215.73,-383.85 h0.02 r90
  text "C45" at -1215.73,-383.85 h0.02 r90
  text "R65" at -1215.73,-383.96 h0.02 r90
  text "R65" at -1215.73,-383.96 h0.02 r90
  text "R65" at -1215.73,-383.96 h0.02 r90
  text "U10" at -1215.63,-383.64 h0.03 r270
  text "U10" at -1215.63,-383.64 h0.03 r270
  text "U10" at -1215.63,-383.64 h0.03 r270
  text "L1" at -1215.42,-383.57 h0.02 r90
  text "L1" at -1215.42,-383.57 h0.02 r90
  text "L1" at -1215.42,-383.57 h0.02 r90
  text "J8" at -1218.31,-384.72 h0.03 r90
  text "J8" at -1218.31,-384.72 h0.03 r90
  text "J8" at -1218.31,-384.72 h0.03 r90
  text "S1" at -1218.29,-384.57 h0.03 r90
  text "S1" at -1218.29,-384.57 h0.03 r90
  text "S1" at -1218.29,-384.57 h0.03 r90
  text "C41" at -1218.28,-384.8 h0.02 r90
  text "C41" at -1218.28,-384.8 h0.02 r90
  text "C41" at -1218.28,-384.8 h0.02 r90
  text "R35" at -1218.17,-384.59 h0.02 r90
  text "R35" at -1218.17,-384.59 h0.02 r90
  text "R35" at -1218.17,-384.59 h0.02 r90
  text "R49" at -1218.14,-384.59 h0.02 r90
  text "R49" at -1218.14,-384.59 h0.02 r90
  text "R49" at -1218.14,-384.59 h0.02 r90
  text "C20" at -1218.11,-384.47 h0.02 r90
  text "C20" at -1218.11,-384.47 h0.02 r90
  text "C20" at -1218.11,-384.47 h0.02 r90
  text "C11" at -1218.09,-384.85 h0.02 r90
  text "C11" at -1218.09,-384.85 h0.02 r90
  text "C11" at -1218.09,-384.85 h0.02 r90
  text "R46" at -1218.09,-384.57 h0.02
  text "R46" at -1218.09,-384.57 h0.02
  text "R46" at -1218.09,-384.57 h0.02
  text "C19" at -1218.08,-384.47 h0.02 r90
  text "C19" at -1218.08,-384.47 h0.02 r90
  text "C19" at -1218.08,-384.47 h0.02 r90
  text "R25" at -1218.04,-384.85 h0.02 r90
  text "R25" at -1218.04,-384.85 h0.02 r90
  text "R25" at -1218.04,-384.85 h0.02 r90
  text "R36" at -1217.99,-384.85 h0.02 r90
  text "R36" at -1217.99,-384.85 h0.02 r90
  text "R36" at -1217.99,-384.85 h0.02 r90
  text "C16" at -1217.94,-384.83 h0.02 r90
  text "C16" at -1217.94,-384.83 h0.02 r90
  text "C16" at -1217.94,-384.83 h0.02 r90
  text "C15" at -1217.92,-384.67 h0.02 r90
  text "C15" at -1217.92,-384.67 h0.02 r90
  text "C15" at -1217.92,-384.67 h0.02 r90
  text "C12" at -1217.89,-384.83 h0.02 r90
  text "C12" at -1217.89,-384.83 h0.02 r90
  text "C12" at -1217.89,-384.83 h0.02 r90
  text "R26" at -1217.84,-384.83 h0.02 r90
  text "R26" at -1217.84,-384.83 h0.02 r90
  text "R26" at -1217.84,-384.83 h0.02 r90
  text "R28" at -1217.78,-384.83 h0.02 r90
  text "R28" at -1217.78,-384.83 h0.02 r90
  text "R28" at -1217.78,-384.83 h0.02 r90
  text "R34" at -1217.72,-384.83 h0.02 r90
  text "R34" at -1217.72,-384.83 h0.02 r90
  text "R34" at -1217.72,-384.83 h0.02 r90
  text "R42" at -1217.71,-384.91 h0.02 r90
  text "R42" at -1217.71,-384.91 h0.02 r90
  text "R42" at -1217.71,-384.91 h0.02 r90
  text "R45" at -1217.67,-384.91 h0.02 r90
  text "R45" at -1217.67,-384.91 h0.02 r90
  text "R45" at -1217.67,-384.91 h0.02 r90
  text "R27" at -1217.67,-384.83 h0.02 r90
  text "R27" at -1217.67,-384.83 h0.02 r90
  text "R27" at -1217.67,-384.83 h0.02 r90
  text "R33" at -1217.64,-384.91 h0.02 r90
  text "R33" at -1217.64,-384.91 h0.02 r90
  text "R33" at -1217.64,-384.91 h0.02 r90
  text "J4" at -1217.59,-385.04 h0.03
  text "J4" at -1217.59,-385.04 h0.03
  text "J4" at -1217.59,-385.04 h0.03
  text "R6" at -1217.57,-384.68 h0.02
  text "R6" at -1217.57,-384.68 h0.02
  text "R6" at -1217.57,-384.68 h0.02
  text "C7" at -1217.57,-384.79 h0.02
  text "R15" at -1217.57,-384.74 h0.02
  text "C7" at -1217.57,-384.79 h0.02
  text "R15" at -1217.57,-384.74 h0.02
  text "R15" at -1217.57,-384.74 h0.02
  text "C7" at -1217.57,-384.79 h0.02
  text "C8" at -1217.55,-384.58 h0.02
  text "C8" at -1217.55,-384.58 h0.02
  text "C8" at -1217.55,-384.58 h0.02
  text "C4" at -1217.54,-384.63 h0.02
  text "C4" at -1217.54,-384.63 h0.02
  text "C4" at -1217.54,-384.63 h0.02
  text "U1" at -1217.41,-384.7 h0.03
  text "U1" at -1217.41,-384.7 h0.03
  text "U1" at -1217.41,-384.7 h0.03
  text "C3" at -1217.38,-384.89 h0.02
  text "R5" at -1217.38,-384.91 h0.02
  text "C3" at -1217.38,-384.89 h0.02
  text "R5" at -1217.38,-384.91 h0.02
  text "R5" at -1217.38,-384.91 h0.02
  text "C3" at -1217.38,-384.89 h0.02
  text "C5" at -1217.23,-384.89 h0.02
  text "C5" at -1217.23,-384.89 h0.02
  text "C5" at -1217.23,-384.89 h0.02
  text "R11" at -1217.23,-384.92 h0.02
  text "R11" at -1217.23,-384.92 h0.02
  text "R11" at -1217.23,-384.92 h0.02
  text "C1" at -1217.13,-384.89 h0.02
  text "R1" at -1217.13,-384.91 h0.02
  text "C1" at -1217.13,-384.89 h0.02
  text "R1" at -1217.13,-384.91 h0.02
  text "R1" at -1217.13,-384.91 h0.02
  text "C1" at -1217.13,-384.89 h0.02
  text "R69" at -1217.12,-384.93 h0.02 r90
  text "R69" at -1217.12,-384.93 h0.02 r90
  text "R69" at -1217.12,-384.93 h0.02 r90
  text "J3" at -1217.1,-385.03 h0.03
  text "J3" at -1217.1,-385.03 h0.03
  text "J3" at -1217.1,-385.03 h0.03
  text "R68" at -1216.97,-384.93 h0.02 r90
  text "R68" at -1216.97,-384.93 h0.02 r90
  text "R68" at -1216.97,-384.93 h0.02 r90
  text "C9" at -1216.91,-384.64 h0.02
  text "C9" at -1216.91,-384.64 h0.02
  text "C9" at -1216.91,-384.64 h0.02
  text "C2" at -1216.9,-384.77 h0.02
  text "C2" at -1216.9,-384.77 h0.02
  text "C2" at -1216.9,-384.77 h0.02
  text "C6" at -1216.9,-384.81 h0.02
  text "C6" at -1216.9,-384.81 h0.02
  text "C6" at -1216.9,-384.81 h0.02
  text "R2" at -1216.9,-384.72 h0.02
  text "R2" at -1216.9,-384.72 h0.02
  text "R2" at -1216.9,-384.72 h0.02
  text "R12" at -1216.87,-384.84 h0.02
  text "R12" at -1216.87,-384.84 h0.02
  text "R12" at -1216.87,-384.84 h0.02
  text "R4" at -1216.87,-384.55 h0.02
  text "R4" at -1216.87,-384.55 h0.02
  text "R4" at -1216.87,-384.55 h0.02
  text "C10" at -1216.85,-384.6 h0.02
  text "C10" at -1216.85,-384.6 h0.02
  text "C10" at -1216.85,-384.6 h0.02
  text "J9" at -1216.52,-385.02 h0.03
  text "J9" at -1216.52,-385.02 h0.03
  text "J9" at -1216.52,-385.02 h0.03
  text "R82" at -1216.49,-384.91 h0.02
  text "R84" at -1216.49,-384.64 h0.02
  text "R87" at -1216.49,-384.83 h0.02
  text "R88" at -1216.49,-384.76 h0.02
  text "R89" at -1216.49,-384.69 h0.02
  text "R90" at -1216.49,-384.59 h0.02
  text "R91" at -1216.49,-384.51 h0.02
  text "R82" at -1216.49,-384.91 h0.02
  text "R84" at -1216.49,-384.64 h0.02
  text "R87" at -1216.49,-384.83 h0.02
  text "R88" at -1216.49,-384.76 h0.02
  text "R89" at -1216.49,-384.69 h0.02
  text "R90" at -1216.49,-384.59 h0.02
  text "R91" at -1216.49,-384.51 h0.02
  text "R91" at -1216.49,-384.51 h0.02
  text "R90" at -1216.49,-384.59 h0.02
  text "R89" at -1216.49,-384.69 h0.02
  text "R88" at -1216.49,-384.76 h0.02
  text "R87" at -1216.49,-384.83 h0.02
  text "R84" at -1216.49,-384.64 h0.02
  text "R82" at -1216.49,-384.91 h0.02
  text "C57" at -1216.22,-385.05 h0.02 r90
  text "C57" at -1216.22,-385.05 h0.02 r90
  text "C57" at -1216.22,-385.05 h0.02 r90
  text "C51" at -1216.18,-385.05 h0.02 r90
  text "C51" at -1216.18,-385.05 h0.02 r90
  text "C51" at -1216.18,-385.05 h0.02 r90
  text "R77" at -1216.08,-385.06 h0.02 r90
  text "R77" at -1216.08,-385.06 h0.02 r90
  text "R77" at -1216.08,-385.06 h0.02 r90
  text "C47" at -1215.97,-385.1 h0.02 r90
  text "C47" at -1215.97,-385.1 h0.02 r90
  text "C47" at -1215.97,-385.1 h0.02 r90
  text "C48" at -1215.91,-385.09 h0.02
  text "C48" at -1215.91,-385.09 h0.02
  text "C48" at -1215.91,-385.09 h0.02
  text "C49" at -1215.91,-385.1 h0.02 r90
  text "C49" at -1215.91,-385.1 h0.02 r90
  text "C49" at -1215.91,-385.1 h0.02 r90
  text "U7" at -1215.72,-384.65 h0.03
  text "U7" at -1215.72,-384.65 h0.03
  text "U7" at -1215.72,-384.65 h0.03
  text "R74" at -1215.7,-384.49 h0.02 r90
  text "R74" at -1215.7,-384.49 h0.02 r90
  text "R74" at -1215.7,-384.49 h0.02 r90
  text "R72" at -1215.6,-384.73 h0.02
  text "R73" at -1215.6,-384.85 h0.02
  text "R72" at -1215.6,-384.73 h0.02
  text "R73" at -1215.6,-384.85 h0.02
  text "R73" at -1215.6,-384.85 h0.02
  text "R72" at -1215.6,-384.73 h0.02
  text "ANT1" at -1215.56,-384.97 h0.03
  text "ANT1" at -1215.56,-384.97 h0.03
  text "ANT1" at -1215.56,-384.97 h0.03
Mechanical 9:
  lines w0: -1215.44,-382.94 ccw(c-1215.44,-382.94) -1215.44,-382.94 ; -1215.44,-382.94 ccw(c-1215.44,-382.94) -1215.44,-382.94 ; -1215.44,-382.94 ccw(c-1215.44,-382.94) -1215.44,-382.94 ; -1215.44,-382.94 ccw(c-1215.44,-382.94) -1215.44,-382.94 ; -1215.44,-382.94 ccw(c-1215.44,-382.94) -1215.44,-382.94 ; -1215.44,-382.94 ccw(c-1215.44,-382.94) -1215.44,-382.94 ; -1215.44,-382.94 ccw(c-1215.44,-382.94) -1215.44,-382.94 ; -1215.44,-382.94 ccw(c-1215.44,-382.94) -1215.44,-382.94 ; -1215.44,-382.94 ccw(c-1215.44,-382.94) -1215.44,-382.94 ; -1215.44,-382.94 ccw(c-1215.44,-382.94) -1215.44,-382.94 ; -1215.44,-382.94 ccw(c-1215.44,-382.94) -1215.44,-382.94 ; -1215.44,-382.94 ccw(c-1215.44,-382.94) -1215.44,-382.94
  lines w0.01: -1218.42,-385.2 ccw(c-1218.38,-385.2) -1218.38,-385.24 ; -1218.42,-385.2 ccw(c-1218.38,-385.2) -1218.38,-385.24 ; -1218.42,-385.2 ccw(c-1218.38,-385.2) -1218.38,-385.24 ; -1218.38,-385.24 -1215.43,-385.24 ; -1218.42,-385.2 -1218.42,-383.08 ; -1218.38,-385.24 -1215.43,-385.24 ; -1218.42,-385.2 -1218.42,-383.08 ; -1218.42,-385.2 -1218.42,-383.08 ; -1218.38,-385.24 -1215.43,-385.24 ; -1218.42,-383.08 -1218.42,-383.03 ; -1218.42,-383.08 -1218.42,-383.03 ; -1218.42,-383.08 -1218.42,-383.03 ; -1218.42,-383.03 -1218.42,-382.97 ; -1218.42,-383.03 -1218.42,-382.97 ; -1218.42,-383.03 -1218.42,-382.97 ; -1218.42,-382.97 cw(c-1218.38,-382.97) -1218.39,-382.94 ; -1218.42,-382.97 cw(c-1218.38,-382.97) -1218.39,-382.94 ; -1218.42,-382.97 cw(c-1218.38,-382.97) -1218.39,-382.94 ; -1218.39,-382.94 -1215.44,-382.94 ; -1218.39,-382.94 -1215.44,-382.94 ; -1218.39,-382.94 -1215.44,-382.94 ; -1217.26,-384.28 -1217.26,-383.76 ; -1217.26,-384.28 -1216.69,-384.28 ; -1217.26,-384.28 -1217.26,-383.76 ; -1217.26,-384.28 -1216.69,-384.28 ; -1217.26,-384.28 -1216.69,-384.28 ; -1217.26,-384.28 -1217.26,-383.76 ; -1217.26,-383.76 -1216.69,-383.76 ; -1217.26,-383.76 -1216.69,-383.76 ; -1217.26,-383.76 -1216.69,-383.76 ; -1216.69,-384.28 -1216.69,-383.76 ; -1216.69,-384.28 -1216.69,-383.76 ; -1216.69,-384.28 -1216.69,-383.76 ; -1215.43,-385.24 ccw(c-1215.44,-385.19) -1215.39,-385.19 ; -1215.43,-385.24 ccw(c-1215.44,-385.19) -1215.39,-385.19 ; -1215.43,-385.24 ccw(c-1215.44,-385.19) -1215.39,-385.19 ; -1215.44,-382.94 cw(c-1215.44,-382.98) -1215.39,-382.98 ; -1215.44,-382.94 cw(c-1215.44,-382.98) -1215.39,-382.98 ; -1215.44,-382.94 cw(c-1215.44,-382.98) -1215.39,-382.98 ; -1215.39,-385.2 -1215.39,-383.08 ; -1215.39,-385.2 -1215.39,-383.08 ; -1215.39,-385.2 -1215.39,-383.08 ; -1215.39,-383.08 -1215.39,-383.04 ; -1215.39,-383.08 -1215.39,-383.04 ; -1215.39,-383.08 -1215.39,-383.04 ; -1215.39,-383.04 -1215.39,-382.98 ; -1215.39,-383.04 -1215.39,-382.98 ; -1215.39,-383.04 -1215.39,-382.98
Mechanical 10:
  drawing of 201 lines, arcs and shapes, not listed
Mechanical 11:
  drawing of 498 lines, arcs and shapes, not listed
  text "M1" at -1218.13,-384.99 h0.04
  text "M1" at -1218.13,-384.99 h0.04
  text "M1" at -1218.13,-384.99 h0.04
Mechanical 12:
  drawing of 372 lines, arcs and shapes, not listed
Mechanical 13:
  drawing of 1761 lines, arcs and shapes, not listed
Mechanical 14:
  drawing of 459 lines, arcs and shapes, not listed
Mechanical 15:
  drawing of 1848 lines, arcs and shapes, not listed
Mechanical 16:
  lines w0: -1218.35,-383.62 ccw(c-1218.35,-383.62) -1218.34,-383.62 ; -1218.35,-383.62 ccw(c-1218.35,-383.62) -1218.34,-383.62 ; -1218.35,-383.62 ccw(c-1218.35,-383.62) -1218.34,-383.62 ; -1218.34,-383.62 -1218.34,-383.58 ; -1218.35,-383.62 -1218.35,-383.58 ; -1218.34,-383.62 -1218.34,-383.58 ; -1218.35,-383.62 -1218.35,-383.58 ; -1218.35,-383.62 -1218.35,-383.58 ; -1218.34,-383.62 -1218.34,-383.58 ; -1218.34,-383.58 ccw(c-1218.35,-383.58) -1218.35,-383.58 ; -1218.34,-383.58 ccw(c-1218.35,-383.58) -1218.35,-383.58 ; -1218.34,-383.58 ccw(c-1218.35,-383.58) -1218.35,-383.58 ; -1218.35,-383.4 ccw(c-1218.34,-383.4) -1218.34,-383.4 ; -1218.35,-383.4 ccw(c-1218.34,-383.4) -1218.34,-383.4 ; -1218.35,-383.4 ccw(c-1218.34,-383.4) -1218.34,-383.4 ; -1218.34,-383.4 -1218.34,-383.36 ; -1218.35,-383.4 -1218.35,-383.36 ; -1218.34,-383.4 -1218.34,-383.36 ; -1218.35,-383.4 -1218.35,-383.36 ; -1218.35,-383.4 -1218.35,-383.36 ; -1218.34,-383.4 -1218.34,-383.36 ; -1218.34,-383.36 ccw(c-1218.34,-383.36) -1218.35,-383.36 ; -1218.34,-383.36 ccw(c-1218.34,-383.36) -1218.35,-383.36 ; -1218.34,-383.36 ccw(c-1218.34,-383.36) -1218.35,-383.36 ; -1215.91,-383 ccw(c-1215.91,-383) -1215.92,-383 ; -1215.92,-383.04 ccw(c-1215.91,-383.04) -1215.91,-383.04 ; -1215.91,-383 ccw(c-1215.91,-383) -1215.92,-383 ; -1215.92,-383.04 ccw(c-1215.91,-383.04) -1215.91,-383.04 ; -1215.92,-383.04 ccw(c-1215.91,-383.04) -1215.91,-383.04 ; -1215.91,-383 ccw(c-1215.91,-383) -1215.92,-383 ; -1215.92,-383.04 -1215.92,-383 ; -1215.91,-383.04 -1215.91,-383 ; -1215.92,-383.04 -1215.92,-383 ; -1215.91,-383.04 -1215.91,-383 ; -1215.91,-383.04 -1215.91,-383 ; -1215.92,-383.04 -1215.92,-383 ; -1215.69,-383 ccw(c-1215.69,-383) -1215.7,-383 ; -1215.7,-383.04 ccw(c-1215.69,-383.04) -1215.69,-383.04 ; -1215.69,-383 ccw(c-1215.69,-383) -1215.7,-383 ; -1215.7,-383.04 ccw(c-1215.69,-383.04) -1215.69,-383.04 ; -1215.7,-383.04 ccw(c-1215.69,-383.04) -1215.69,-383.04 ; -1215.69,-383 ccw(c-1215.69,-383) -1215.7,-383 ; -1215.7,-383.04 -1215.7,-383 ; -1215.69,-383.04 -1215.69,-383 ; -1215.7,-383.04 -1215.7,-383 ; -1215.69,-383.04 -1215.69,-383 ; -1215.69,-383.04 -1215.69,-383 ; -1215.7,-383.04 -1215.7,-383
  lines w0.03: -1218.22,-384.52 cw(c-1218.22,-384.51) -1218.22,-384.5 ; -1218.22,-384.52 ccw(c-1218.22,-384.51) -1218.22,-384.5 ; -1218.22,-384.52 cw(c-1218.22,-384.51) -1218.22,-384.5 ; -1218.22,-384.52 ccw(c-1218.22,-384.51) -1218.22,-384.5 ; -1218.22,-384.52 ccw(c-1218.22,-384.51) -1218.22,-384.5 ; -1218.22,-384.52 cw(c-1218.22,-384.51) -1218.22,-384.5 ; -1218.22,-384.2 ccw(c-1218.22,-384.22) -1218.22,-384.23 ; -1218.22,-384.23 ccw(c-1218.22,-384.22) -1218.22,-384.2 ; -1218.22,-384.2 ccw(c-1218.22,-384.22) -1218.22,-384.23 ; -1218.22,-384.23 ccw(c-1218.22,-384.22) -1218.22,-384.2 ; -1218.22,-384.23 ccw(c-1218.22,-384.22) -1218.22,-384.2 ; -1218.22,-384.2 ccw(c-1218.22,-384.22) -1218.22,-384.23
  lines w0.06: -1218.33,-385.12 cw(c-1218.3,-385.12) -1218.27,-385.12 ; -1218.33,-385.12 ccw(c-1218.3,-385.12) -1218.27,-385.12 ; -1218.33,-385.12 cw(c-1218.3,-385.12) -1218.27,-385.12 ; -1218.33,-385.12 ccw(c-1218.3,-385.12) -1218.27,-385.12 ; -1218.33,-385.12 ccw(c-1218.3,-385.12) -1218.27,-385.12 ; -1218.33,-385.12 cw(c-1218.3,-385.12) -1218.27,-385.12 ; -1218.33,-383.05 cw(c-1218.3,-383.05) -1218.27,-383.05 ; -1218.33,-383.05 ccw(c-1218.3,-383.05) -1218.27,-383.05 ; -1218.33,-383.05 cw(c-1218.3,-383.05) -1218.27,-383.05 ; -1218.33,-383.05 ccw(c-1218.3,-383.05) -1218.27,-383.05 ; -1218.33,-383.05 ccw(c-1218.3,-383.05) -1218.27,-383.05 ; -1218.33,-383.05 cw(c-1218.3,-383.05) -1218.27,-383.05 ; -1215.54,-385.12 cw(c-1215.51,-385.12) -1215.48,-385.12 ; -1215.54,-385.12 ccw(c-1215.51,-385.12) -1215.48,-385.12 ; -1215.54,-385.12 cw(c-1215.51,-385.12) -1215.48,-385.12 ; -1215.54,-385.12 ccw(c-1215.51,-385.12) -1215.48,-385.12 ; -1215.54,-385.12 ccw(c-1215.51,-385.12) -1215.48,-385.12 ; -1215.54,-385.12 cw(c-1215.51,-385.12) -1215.48,-385.12 ; -1215.54,-383.05 cw(c-1215.51,-383.05) -1215.48,-383.05 ; -1215.54,-383.05 ccw(c-1215.51,-383.05) -1215.48,-383.05 ; -1215.54,-383.05 cw(c-1215.51,-383.05) -1215.48,-383.05 ; -1215.54,-383.05 ccw(c-1215.51,-383.05) -1215.48,-383.05 ; -1215.54,-383.05 ccw(c-1215.51,-383.05) -1215.48,-383.05 ; -1215.54,-383.05 cw(c-1215.51,-383.05) -1215.48,-383.05

## Text inside footprints (layer, text, board x,y; h text height)
C9: Bottom Overlay "+" at 966,138.5 h50 r180
EC1: Bottom Overlay "+" at 4744.24,1604 h50 r180
EC2: Bottom Overlay "+" at 4743.76,1295 h50 r180
EC3: Bottom Overlay "+" at 4764.76,732 h50 r180
EC4: Bottom Overlay "+" at 4756.76,174 h50 r180
U8: Bottom Overlay "*" at 365,1957 h40 r90